# Altium PCB CYAN_EVSE_Power_board_v1.1.PcbDoc
Units mm, origin at the board's own origin, x right, y up, seen from the top; angles counter-clockwise.
Board outline 75 x 106 mm, 2 copper layers (Top Layer, Bottom Layer); 55 components, 27 nets, 171 pads, 20 vias.
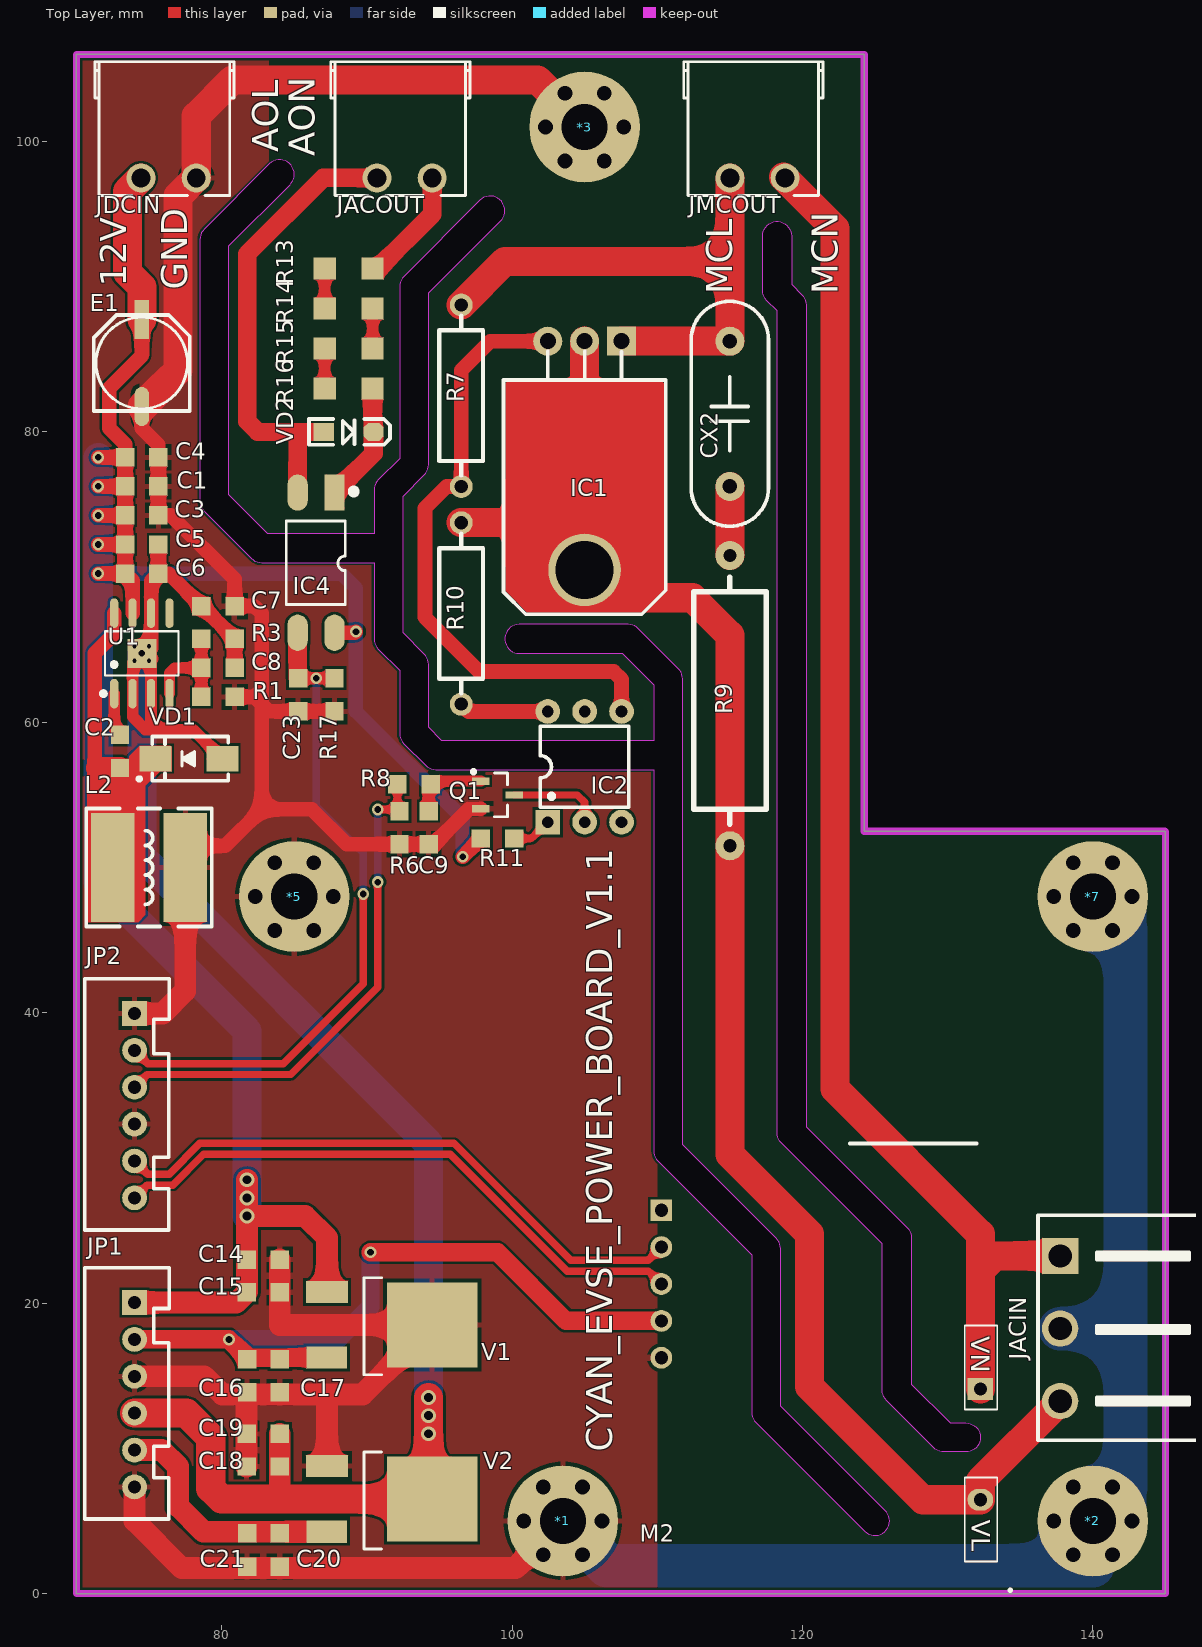
[diagram p0: Top Layer view]
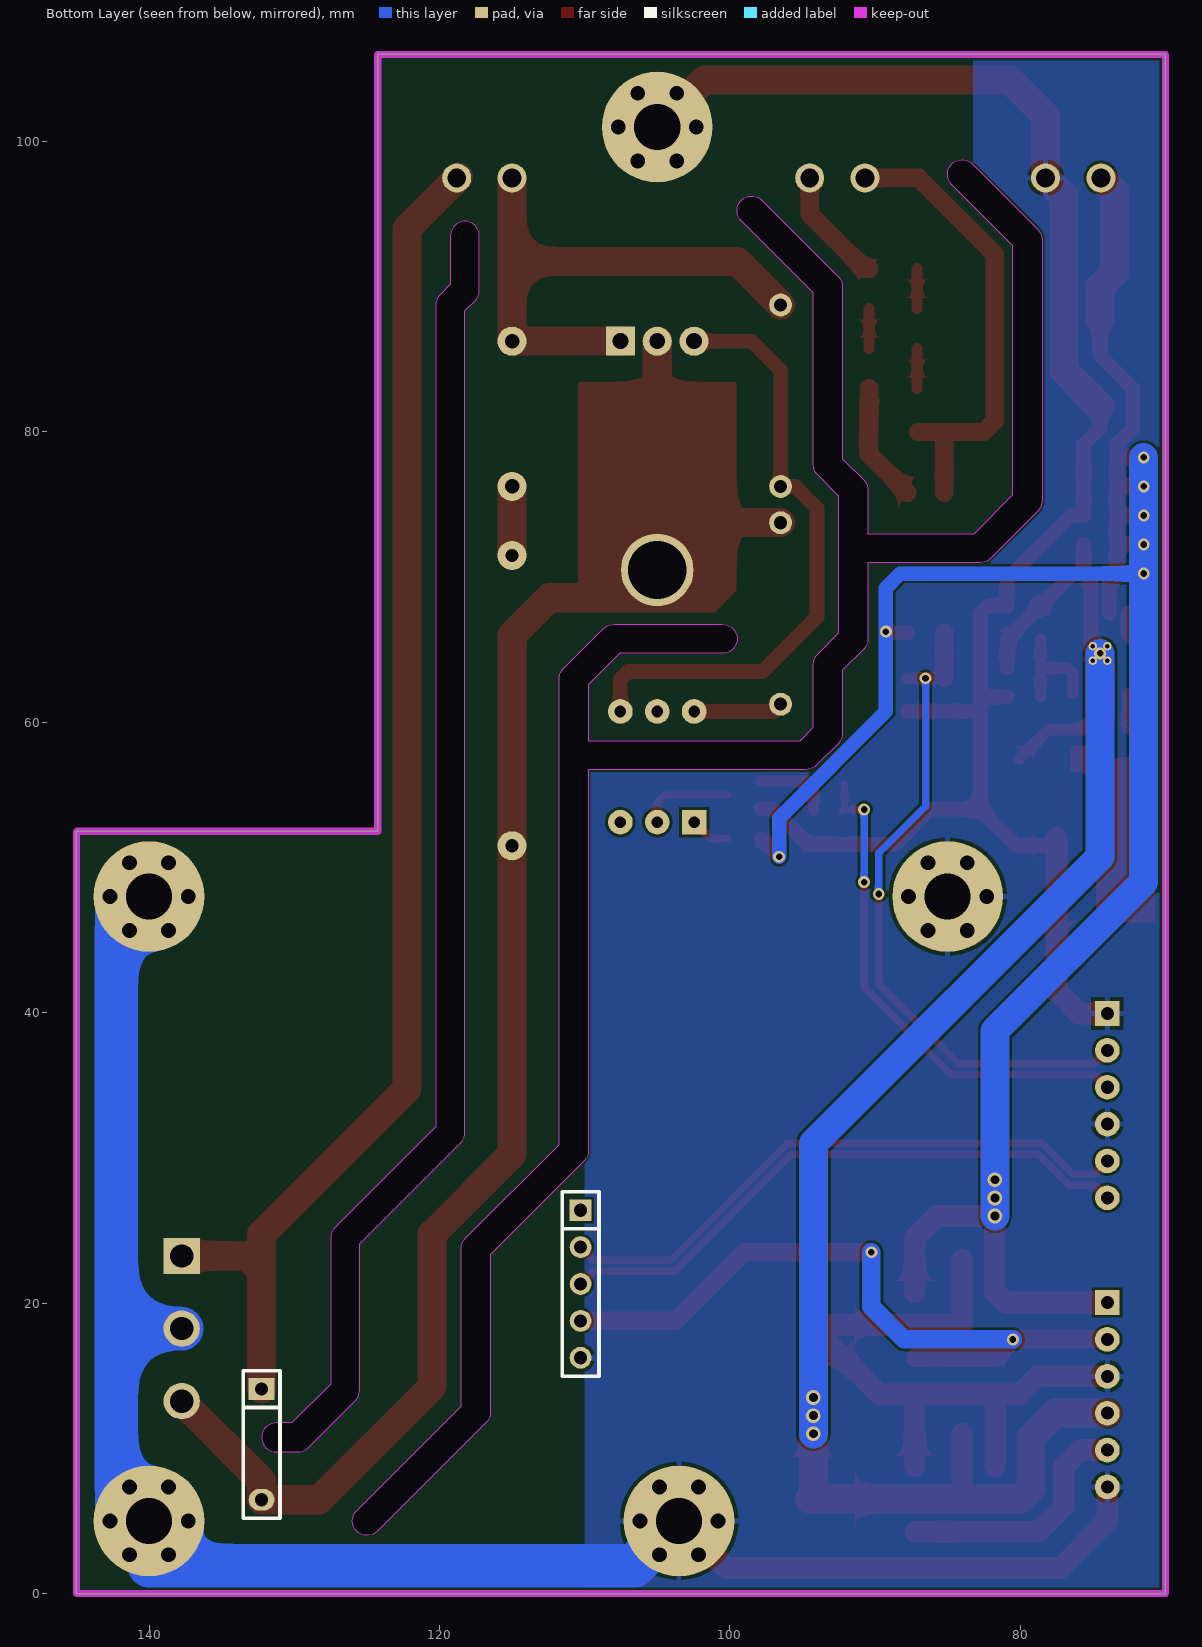
[diagram p1: Bottom Layer view, seen from below]

## Layer stack, top to bottom
Top Solder: solder mask 0.0102, Solder Resist, Dk 3.5
Top Layer: signal copper 0.0356
Dielectric1: dielectric 0.32, FR-4, Dk 4.8
Bottom Layer: signal copper 0.0356
Bottom Solder: solder mask 0.0102, Solder Resist, Dk 3.5

## Board outline
70,0 70,106 124.25,106 124.25,52.5 144.97,52.5 145,52.47 145,52.485 145,0
cut-out: 82.043,71.293 ccw(c82.75,72) 82.75,71 90.5,71 90.5,65.75 ccw(c91.5,65.75) 90.793,65.043 92.25,63.586 92.25,59.25 ccw(c93.25,59.25) 92.543,58.543 94.043,57.043 ccw(c94.75,57.75) 94.75,56.75 109.75,56.75 109.75,30.5 ccw(c110.75,30.5) 110.043,29.793 116.5,23.336 116.5,12.5 ccw(c117.5,12.5) 116.793,11.793 124.293,4.293 ccw(c125,5) 126,5 ccw(c125,5) 125.707,5.707 118.5,12.914 118.5,23.75 ccw(c117.5,23.75) 118.207,24.457 111.75,30.914 111.75,63 ccw(c110.75,63) 111.457,63.707 108.707,66.457 ccw(c108,65.75) 108,66.75 100.5,66.75 ccw(c100.5,65.75) 100.5,64.75 107.586,64.75 109.75,62.586 109.75,58.75 95.164,58.75 94.25,59.664 94.25,64 ccw(c93.25,64) 93.957,64.707 92.5,66.164 92.5,75.586 93.957,77.043 ccw(c93.25,77.75) 94.25,77.75 94.25,89.586 99.207,94.543 ccw(c98.5,95.25) 99.5,95.25 ccw(c98.5,95.25) 97.793,95.957 92.543,90.707 ccw(c93.25,90) 92.25,90 92.25,78.164 90.793,76.707 ccw(c91.5,76) 90.5,76 90.5,73 83.164,73 80.5,75.664 80.5,92.836 84.707,97.043 ccw(c84,97.75) 85,97.75 ccw(c84,97.75) 83.293,98.457 78.793,93.957 ccw(c79.5,93.25) 78.5,93.25 78.5,75.25 ccw(c79.5,75.25) 78.793,74.543
cut-out: 118.25,31.75 118.25,88.336 117.543,89.043 cw(c118.25,89.75) 117.25,89.75 117.25,93.5 cw(c118.25,93.5) 119.25,93.5 119.25,90.164 119.957,89.457 cw(c119.25,88.75) 120.25,88.75 120.25,32.164 127.207,25.207 cw(c126.5,24.5) 127.5,24.5 127.5,14.414 130.164,11.75 131.25,11.75 cw(c131.25,10.75) 132.25,10.75 cw(c131.25,10.75) 131.25,9.75 129.75,9.75 cw(c129.75,10.75) 129.043,10.043 125.793,13.293 cw(c126.5,14) 125.5,14 125.5,24.086 118.543,31.043 cw(c119.25,31.75)

## Design rules (kind name [scope] priority, off if disabled: settings)
Clearance Clearance7mil [All] p1: gap=0.178 ignorepadtopadclearanceinfootprint=TRUE except(0: Arc-Hole Track-Hole SMDPad-Hole THPad-Hole Via-Hole Fill-Hole Poly-Hole Region-Hole Text-Hole)
ComponentClearance [All] p1: gap=0 collisioncheckmode=3 verticalgap=0 showdistances=FALSE
Height [All] p1: minheight=0 maxheight=40 prefheight=12.7
HoleSize [All] p1: absolutevalues=TRUE maxlimit=25.375 minlimit=0.025 maxpercent=80.000 minpercent=20.000
HoleToHoleClearance [All] p1: gap=0 allowstackedmicrovias=TRUE
MinimumSolderMaskSliver [All] p1: minsoldermaskwidth=0
PlaneConnect [All] p1: pad.planeconnectstyle=Relief pad.reliefexpansion=0.508 pad.reliefentries=4 pad.reliefconductorwidth=0.381 pad.reliefairgap=0.254 via.planeconnectstyle=Direct via.reliefexpansion=0.508 via.reliefentries=4 via.reliefconductorwidth=0.381 via.reliefairgap=0.254
PolygonConnect [All] p1: thpad.connectstyle=Relief thpad.reliefconductorwidth=0.381 thpad.reliefentries=4 thpad.polygonreliefangle="90 Angle" thpad.airgapwidth=0.254 smdpad.connectstyle=Relief smdpad.reliefconductorwidth=0.381 smdpad.reliefentries=4 smdpad.polygonreliefangle="90 Angle" smdpad.airgapwidth=0.254 via.connectstyle=Direct via.reliefconductorwidth=0.381 via.reliefentries=4 via.polygonreliefangle="90 Angle" via.airgapwidth=0.254
RoutingVias [All] p1: holewidth=0.457 width=0.813 viastyle="Through Hole" minholewidth=0.305 minwidth=0.508 maxholewidth=25.375 maxwidth=25.375
SilkToSilkClearance [All] p1: silktosilkclearance=0
SilkToSolderMaskClearance SilkscreenOverComponentPads [IsPad] p1: minsilkscreentomaskgap=0 clearancetoexposedcopper=TRUE
SolderMaskExpansion [All] p1: expansion=0.051 istentingtop=FALSE
Width Width_VCC [All] p1: maxlimit=25.375 minlimit=0.152 preferedwidth=0.203
Width [All] p2: maxlimit=25.375 minlimit=0.152 preferedwidth=0.178
22 further rules are at their usual default settings.

## Components (designator, comment, footprint, x,y, rotation, side; value= is the part's Value field where it differs from the comment)
*1 "M3" "M3 125X300" 103.5,5 r180 top
*2 "M3" "M3 125X300" 140,5 r180 top
*3 "M3" "M3 125X300" 105,101 r180 top
*5 "M3" "M3 125X300" 85,48 r180 top
*7 "M3" "M3 125X300" 140,48 r180 top
C1 "C" "C 0805" 74.5,76.25 r180 top value=100nF
C2 "C" "C 0805" 73,58 r270 top value=100nf
C3 "C" "C 0805" 74.5,74.25 r180 top value=100nF
C4 "C" "C 0805" 74.5,78.25 r0 top value=10uF
C5 "C" "C 0805" 74.5,72.25 r180 top value=10uF
C6 "C" "C 0805" 74.5,70.25 r180 top value=100nF
C7 "C" "C 0805" 79.75,68 r0 top value=10uF
C8 "C" "C 0805" 79.75,63.75 r0 top value=10nf
C9 "C" "C 0805" 94.25,52.75 r90 top value=100nF
C14 "C" "C 0805" 82.857,23 r180 top value=10uF
C15 "C" "C 0805" 82.857,20.75 r180 top value=100nF
C16 "C" "C 0805" 81.75,15 r90 top value=10uF
C17 "C" "C 0805" 84,15 r90 top value=100nF
C18 "C" "C 0805" 82.857,8.75 r0 top value=10uF
C19 "C" "C 0805" 82.857,11 r0 top value=100nF
C20 "C" "C 0805" 84,3 r90 top value=10uF
C21 "C" "C 0805" 81.75,3 r90 top value=100nF
C23 "C" "C 0805" 85.27,61.9 r90 top value=100nF
CX2 "X1 安规电容" "CX 10*13*11" 115,81.25 r270 top value=10nf
E1 "C-CM" "CM D(6.3*5.4)" 74.5,84.75 r90 top value=220uf
IC1 "BTA16_800" TO220B 105,86.25 r180 top
IC2 "MOC3061" DIP6-300 105,56.94 r90 top
IC4 "817" SOP4-W2.54_M 86.5,71 r270 top
JACIN "HDR-1X3" KF2EDGK5.0-3P_H 137.75,23.25 r270 top
JACOUT "HDR-1X2" "MC 1,5/ 2-G-3,81" 94.5,97.5 r180 top
JDCIN "HDR-1X2" "MC 1,5/ 2-G-3,81" 78.25,97.5 r180 top
JMCOUT "HDR-1X2" "MC 1,5/ 2-G-3,81" 118.81,97.5 r180 top
JP1 "HDR-1X6" XH2.54-6P 74,20.04 r270 top
JP2 "HDR-1X6" XH2.54-6P 74,39.95 r270 top
L2 "100uH" CD75 75,50 r0 top
M2 "IM1281B" IM1281B 108.323,43.239 r270 top
Q1 "S9014" SOT23-3N 99,55 r270 top
R1 "R" "R 0805" 79.75,61.75 r180 top value=16k
R3 "R" "R 0805" 79.75,65.75 r0 top value=1.8k
R6 "R" "R 0805" 92.25,52.75 r90 top value=10k
R7 "R-CRR" "RS 1/2W" 96.5,82.5 r270 top value=360
R8 "R" "R 0805" 93.25,55.75 r180 top value=10k
R9 "R-CRR" "RS 2W" 115,61.5 r90 top value=39
R10 "R-CRR" "RS 1/2W" 96.5,67.5 r90 top value=360
R11 "R" "R 0805" 99,52 r180 top value=180
R13 "R" "R 1206" 88.75,91.25 r180 top value=51K
R14 "R" "R 1206" 88.75,88.5 r0 top value=51K
R15 "R" "R 1206" 88.75,85.75 r180 top value=51K
R16 "R" "R 1206" 88.75,83 r0 top value=51K
R17 "R" "R 0805" 87.77,61.9 r90 top value=1M
U1 "TPS5430" SOP8_EPAD_VIA 74.5,64.75 r0 top
V1 "7805" TO252 90.3,18.5 r270 top
V2 "7905" TO252 90.3,6.5 r270 top
VD1 "B340AF-13" SMA 77.75,57.5 r180 top
VD2 "FR107" SOD-123 88.75,80 r0 top

## Footprints (in the part's own frame and the unit in brackets; to place one, negate y for a bottom-side part, rotate by r counter-clockwise, add the part's x,y. Pads: shape width x height; smd on the part's side, far side on the other; paste and mask are expansions set on the pad)
"C 0805" [mil] "无极性贴片电容"
  rect 50x50 smd: 1(-45,0) 2(45,0)
  body extent -39,-24 39,24, height 20
CD75 [mm] "7.8*7*5mm（长宽高）"
  rect 3x7.5 smd: 1(-2.5,0) 2(2.5,0)
  silkscreen extent -4.32,-4.06 4.32,4.06, body extent -3.85,-3.5 3.85,3.5, height 5.15
"CM D(6.3*5.4)" [mm] "贴片电解电容，直径6.3mm，高5.4mm"
  rect 2.7x1 smd: 1(3,0)
  oval 2.7x1 smd: 2(-3,0)
  silkscreen extent -3.3,-3.3 3.3,3.3, body extent -3.5,-3.3 3.5,3.3, height 5.4
"CX 10*13*11" [mm] "脚距10mm高13mm厚11mm"
  round 2 hole 1: 1(-5,0) 2(5,0)
  silkscreen extent -7.75,-2.67 7.75,2.67, body extent -6.5,-2.5 6.5,2.5, height 11.02
DIP6-300 [mm] "6.8*7.6*3.8(长宽高）"
  rect 1.7x1.7 hole 0.8: 1(-3.81,2.54)
  round 1.7 hole 0.8: 2(-3.81,0) 3(-3.81,-2.54) 4(3.81,-2.54) 5(3.81,0) 6(3.81,2.54)
  silkscreen extent -2.79,-3.05 2.79,3.05, body extent -3.92,-3.43 3.93,3.43, height 4.5
IM1281B [mm]
  rect 1.5x1.5 hole 0.9: 1(16.84,1.956)
  round 1.5 hole 0.9: 2(19.38,1.956) 3(21.92,1.956) 4(24.46,1.956) 5(27,1.956)
  oval 1.5x1.778 hole 0.9: 6(36.779,23.927)
  rect 1.5x1.778 hole 0.9: 7(29.159,23.927)
  silkscreen extent 12.24,14.93 43,26, body extent -0.67,0.31 43,26, height 29.14
KF2EDGK5.0-3P_H [mm] "弯角插拔式端子"
  rect 2.5x2.5 hole 1.6: 1(0,0)
  round 2.5 hole 1.6: 2(5,0) 3(10,0)
  silkscreen extent -2.79,-1.52 12.7,11.05, body extent -2.54,-0.5 12.54,10.8, height 8.5
"M3 125X300" [mil] "M3螺丝孔，孔125Mil，焊盘300Mil"
  round 40 hole 40: 0(-106,0) 0(-53,91.8) 0(-53,-91.8) 0(53,91.8) 0(53,-91.8) 0(106,0)
  round 300 hole 125: 0(0,0)
"MC 1,5/ 2-G-3,81" [mm] "10A 300 V, Pitch 3.81mm, 2 Positions PCB Right Angle Male Header, BC/SC 3.81 Serie"
  round 2 hole 1.3: 1(0,0) 2(3.81,0)
  silkscreen extent -2.61,-8 6.99,1.21, body extent -2.35,-17.45 6.66,1.4, height 8.3
"R 0805" [mil] "1/8W贴片电阻"
  rect 50x50 smd: 1(-45,0) 2(45,0)
  body extent -39,-25 39,25, height 20
"R 1206" [mil] "1/4W贴片电阻"
  rect 60x60 smd: 1(-65,0) 2(65,0)
  body extent -63,-31 63,32, height 22
"RS 1/2W" [mm] "直插色环电阻，脚距12.5mm，直径3mm"
  round 1.575 hole 0.9: 1(-6.25,0) 2(6.25,0)
  silkscreen extent -5.5,-1.5 5.5,1.5, body extent -6.5,-1.51 6.5,1.51, height 3.11
"RS 2W" [mm] "直插色环电阻，脚距20mm，直径5mm"
  round 2 hole 0.9: 1(10,0) 2(-10,0)
  silkscreen extent -8.5,-2.5 8.5,2.5, body extent -10.4,-2.51 10.4,2.51, height 5.11
SMA [mm] "4.5x2.6*2.2mm（长宽高，不包括引脚）"
  rect 2.2x1.75 smd: 1(-2.3,0) 2(2.3,0)
  silkscreen extent -2.7,-1.52 3.56,1.52, body extent -2.53,-1.3 2.57,1.3, height 2.15
SOD-123 [mil] "2.7x1.6X1.1mm（长宽高，不包括引脚）"
  rect 55x50 smd: 1(-67.5,0)
  oct 55x50 smd: 2(67.5,0)
  silkscreen extent -108,-35 112,35, body extent -73,-31 73,31, height 48
SOP4-W2.54_M [mm] "6.5*4.58*3.5mm（长宽高）"
  rect 2.5x1.4 smd: 1(-4.826,1.27)
  oval 2.5x1.4 smd: 2(-4.826,-1.27) 3(4.826,-1.27) 4(4.826,1.27)
  silkscreen extent -5.06,-2.05 2.87,2.75, body extent -5,-2.29 5,2.29, height 3.83
SOP8_EPAD_VIA [mm]
  oval 0.574x2.038 smd: 1(-1.905,-2.769) 2(-0.635,-2.769) 3(0.635,-2.769) 4(1.905,-2.769) 5(1.905,2.769) 6(0.635,2.769) 7(-0.635,2.769) 8(-1.905,2.769)
  round 0.6 hole 0.3: 9(-0.5,-0.5) 9(-0.5,0.5) 9(0.5,-0.5) 9(0.5,0.5)
  rect 2x2 smd: 9(0,0)
  silkscreen extent -2.79,-2.92 2.53,1.52, body extent -2.5,-3 2.5,3, height 1.9
SOT23-3N [mm] "3x1.3x1mm(长宽高)"
  rect 0.5x1.2 smd: 1(-0.95,-1.143) 2(0.95,-1.143) 3(0,1.143)
  silkscreen extent -1.72,-1.78 1.5,0.7, body extent -1.5,-1.2 1.5,1.2, height 1.05
TO220B [mm] "220，3脚晶体管"
  round 5 hole 4: 0(0,15.748)
  rect 2x2 hole 1.1: 1(-2.54,0)
  round 2 hole 1.1: 2(0,0) 3(2.54,0)
  Top Layer region: 3.81,17.526 4.445,17.526 4.445,18.034 3.81,18.034
  Top Layer region: 4.445,16.891 5.143,16.891 5.143,17.335 4.445,17.335
  Top Layer region: -4.826,17.018 -4.572,17.018 -4.572,17.526 -4.826,17.526
  Top Layer region: -4.318,17.653 -3.81,17.653 -3.81,18.034 -4.318,18.034
  Top Layer region: -4.572,16.891 -3.81,16.891 -3.81,17.653 -4.572,17.653
  Top Layer region: 4.064,16.891 4.699,16.891 4.699,17.78 4.064,17.78
  Top Layer region: -3.81,16.891 4.064,16.891 4.064,18.542 -3.81,18.542
  Top Layer region: -5.334,2.921 5.334,2.921 5.334,17.018 -5.334,17.018
  Top Layer lines w0.254: 4.699,17.526 5.334,17.018 ; 3.937,18.288 4.826,17.272 5.334,17.018 ; -3.81,18.288 -4.429,17.669 -5.207,16.891 ; -3.81,18.034 -4.175,17.669 -4.826,17.018 ; 5.334,17.018 5.334,12.5 5.334,3.429 5.334,2.921 0,2.921 -5.08,2.921 -5.334,2.921 -5.334,16.637 -5.334,17.018 -4.826,17.526 -4.683,17.669 -3.81,18.542 3.429,18.542 3.937,18.542 4.953,17.526 5.334,17.145 5.334,17.018
  silkscreen extent -5.59,0.69 5.59,18.8, body extent -5.15,-0.25 5.15,18.5, height 4.43
TO252 [mil] "252晶体管"
  rect 60x115 smd: 1(-89.55,-119.77)
  rect 230x245 smd: 2(0,165.35)
  rect 60x110 smd: 3(88.45,-120.77)
  silkscreen extent -128,-20 135,28, body extent -127,-120 129,251, height 91
XH2.54-6P [mm] "接插件，6P"
  rect 1.7x1.7 hole 0.9: 1(0,0)
  round 1.7 hole 0.9: 2(2.54,0) 3(5.08,0) 4(7.62,0) 5(10.16,0) 6(12.7,0)
  silkscreen extent -2.39,-3.43 14.91,2.39, body extent -2.5,-3.3 15.2,2.4, height 7.03

## Part data
*1 *2 *3 *5 *7: "铜柱孔"
C1 C7: "无极性贴片电容", Voltage=25V
C2 C3 C4 C5 C6 C8 C14 C15 C16 C17 C18 C19 C20 C21: "无极性贴片电容", Voltage=50V
C9 C23: "无极性贴片电容", Voltage=20V
CX2: library part C-CX, "X电容", Voltage=440V
E1: "贴片电解电容", Voltage=20V
IC1: library part BTA12_600, "双向可控硅"
IC2: library part MOC304(6)1, "4(6)00v 带过0检测 光电可控硅 led电流15ma 1.3v", BOM_Manufacturer=FAIRCHILD, BOM_Manufacturer Part=MOC3041M, BOM_Supplier=LCSC, BOM_Supplier Part=C8921, image=//image.lceda.cn/szlcsc/C8921.jpg, spicePre=U, spiceSymbolName=MOC3041M
IC4: "线性光耦"
JACIN: library part "Header 3", "3P接插件"
JACOUT JDCIN JMCOUT: library part "Header 2", "2P接插件"
JP1 JP2: library part "Header 6", "6P接插件"
L2: library part L-CD, "贴片功率电感"
M2: "单相交流电能计量模块"
Q1: library part 9014-SMD, "低噪放大-NPN型"
R1 R3 R6 R8 R11 R13 R14 R15 R16 R17: "贴片电阻"
R7 R9 R10: "直插色环电阻"
U1: "3A 36v buck控制器，内置fet"
V1: library part 78xx, "线性稳压芯片"
V2: library part 79xx, "线性稳压芯片"
VD1: library part SS14, "肖特基二极管"
VD2: "快恢复整流二极管"

## Via types
v1: diameter 0.813, hole 0.457, Top Layer to Bottom Layer, tented both sides, 14 vias
v2: diameter 1.016, hole 0.61, Top Layer to Bottom Layer, tented both sides, 6 vias

## Nets (pads, with @x,y where several pads share a name; then routed paths per layer and width w, separated by ;. In a path a pad name is that pad's centre, name@x,y a point inside that pad or via, vN(x,y) a via of type N, cw(c..) or ccw(c..) an arc to the next point about the centre after c; other vN are vias at no path point)
232_RX: JP2.6 M2.3 | length 41.2
  Top Layer w0.508: JP2.6 74.88,28.13 76.63,28.13 78.75,30.25 95.75,30.25 103.801,22.199 109.399,22.199 M2.3
232_TX: JP2.5 M2.2 | length 41.2
  Top Layer w0.508: JP2.5 74.91,28.88 76.38,28.88 78.5,31 96,31 104.051,22.949 109.369,22.949 M2.2
AC_L: IC1.0 IC1.2 JACIN.3 M2.6 R9.2 R10.2 | length 105
  Top Layer w2: R10.2 102.5,73.75 102.75,74 ; IC1.0 106.921,68.581 112.419,68.581 115,66 R9.2 115,30.25 120.5,24.75 120.5,14.25 128.29,6.46 M2.6 132.25,7.75 JACIN.3 ; 105,77.5 IC1.2
AC_N: JACIN.1 JMCOUT.1 M2.7 | length 95
  Top Layer w2: JMCOUT.1@118.704,97.546 122.25,94 122.25,34.75 132.25,24.75 132.25,22.25 ; M2.7 132.25,22.25 ; JACIN.1 133.25,23.25 132.25,22.25
AC_OUT_L: JACOUT.1 R13.1 | length 8.2
  Top Layer w1.27: R13.1 90.75,91.25 94.5,95 JACOUT.1
AC_OUT_N: IC4.2 JACOUT.2 VD2.1 | length 32.2
  Top Layer w1.27: IC4.2 85.23,79.77 ; VD2.1 82.5,80 81.75,80.75 81.75,92.25 87,97.5 JACOUT.2
AC_PE: *1.0 *2.0 *3.0 *5.0 *7.0 C1.1 C3.1 C4.2 C7.2 C9.1 C14.1 C15.1 C16.1 C17.1 C18.1 C19.1 C20.1 C21.1 C23.1 E1.2 JACIN.2 JDCIN.1 JP1.3 JP1.6 JP2.1 JP2.4 L2.2 M2.5 Q1.2 R1.1 R6.1 R17.1 V1.2 V2.1 | length 301.9
  Top Layer w1: E1.2 74.5,80.25 75.643,79.107 C4.2 C1.1 C3.1 76.5,74.25 80.893,69.857 C7.2 82.25,68 82.75,67.5 82.75,62.25 ; L2.2@77.5,51.5 80.25,51.5 82.75,54 ; R1.1 82.25,61.75 ; R17.1 C23.1 83.243,60.757 82.75,61.25 ; Q1.2 97.05,54.05 94.607,51.607 C9.1 R6.1 88.607,51.607 86.214,54 82.75,54 ; 82.25,61.75 82.75,62.25 ; 82.25,61.75 82.75,61.25 ; 82.75,54 82.75,61.25 ; 82.75,61.25 82.75,62.25
  Top Layer w1.5: JP1.6 74,5 77.25,1.75 100.25,1.75 *1.0@103.5,5 ; JP1.3 78.79,14.96 80.036,13.714 C16.1@81.75,13.714 ; JP2.1 75.95,39.95 77.5,41.5 L2.2@77.5,52 ; C18.1 81.714,13.678 C16.1@81.75,13.714 ; C14.1 C15.1 84,18.5 V1.2 89.714,13.714 87,13.714 ; V2.1 87.258,13.456 87,13.714 ; C16.1@81.75,13.714 87,13.714
  Top Layer w2: E1.2 77,84.25 77,96.25 JDCIN.1 78.25,101.75 80.75,104.25 101.75,104.25 *3.0@105,101
  Bottom Layer w3: *1.0@103.5,5 106.572,1.928 140,1.928 140,5 142.25,7.25 142.25,18.25 ; JACIN.2 142.25,18.25 ; *7.0@140,48 142.25,45.75 142.25,18.25
MC_AC_L: CX2.1 IC1.1 JMCOUT.2 R7.1 | length 38.5
  Top Layer w2: R7.1 99.5,91.75 115,91.75 ; IC1.1 CX2.1 115,91.75 ; JMCOUT.2 115,91.75
NetC2_1: C2.1 U1.1 | length 2.4
  Top Layer w0.8: C2.1@72.595,59.548 U1.1
NetC2_2: C2.2 L2.1 U1.8 VD1.2 | length 12.9
  Top Layer w1: 71.393,56.857 71.25,57 71.25,64.75 72.595,66.095 U1.8
  Top Layer w1.5: 71.393,56.857 C2.2
NetC8_1: C8.1 R1.2 R3.1 U1.4 | length 7.8
  Top Layer w0.762: U1.4 76.405,63.405 76.75,63.75 C8.1 ; R1.2 C8.1 ; R3.1 C8.1
NetC9_2: C9.2 Q1.1 R8.1 | length 5.2
  Top Layer w0.762: C9.2 94.25,55.607 R8.1 ; R8.1@94.593,55.95 Q1.1
NetCX2_2: CX2.2 R9.1 | length 4.7
  Top Layer w2: R9.1 CX2.2
NetIC1_3: IC1.3 IC2.4 R7.2 | length 42.9
  Top Layer w1.016: IC1.3 98.5,86.25 96.5,84.25 R7.2 95.5,76.25 94,74.75 94,67.25 97.75,63.5 107,63.5 107.54,62.96 IC2.4
NetIC2_1: IC2.1 R11.1 | length 2.8
  Top Layer w0.508: R11.1 101.33,52 IC2.1
NetIC2_2: IC2.2 Q1.3 | length 6.4
  Top Layer w0.508: Q1.3 104.5,55 105,54.5 IC2.2
NetIC2_6: IC2.6 R10.1 | length 6.2
  Top Layer w1.016: R10.1 97,60.75 IC2.6
NetIC4_1: IC4.1 R16.2 VD2.2 | length 8.3
  Top Layer w1.27: IC4.1 90.465,78.52 VD2.2 90.401,80.063 R16.2
NetR13_2: R13.2 R14.1 | length 2.7
  Top Layer w0.762: R14.1 R13.2
NetR14_2: R14.2 R15.1 | length 2.8
  Top Layer w0.762: R15.1 R14.2
NetR15_2: R15.2 R16.1 | length 2.7
  Top Layer w0.762: R16.1 R15.2
OUT_VOL: C23.2 IC4.3 JP2.2 R17.2 | length 46.4
  Top Layer w0.508: JP2.2 74.91,36.5 84.25,36.5 89.75,42 v1(89.75,48.175)
  Top Layer w0.8: C23.2 v1(86.52,63.043) R17.2
  Top Layer w1.27: C23.2@85.23,63.083 IC4.3
  Bottom Layer w0.508: v1(86.52,63.043) 86.52,54.23 89.75,51 v1(89.75,48.175)
RELAY_EN: JP2.3 R6.2 R8.2 | length 35.2
  Top Layer w0.508: JP2.3 74.88,35.75 84.75,35.75 90.75,41.75 v1(90.75,49) ; v1(90.75,54) 92.071,54 R6.2@92.107,54.036 ; R8.2 R6.2@92.107,54.036 ; R6.2 R6.2@92.107,54.036
  Bottom Layer w0.508: v1@90.75,48.945 v1(90.75,49) v1(90.75,54)
VCC5V: C16.2 C17.2 JP1.2 M2.4 V1.3 | length 50.2
  Top Layer w1.27: JP1.2 v1(80.503,17.5) 81.75,16.253 V1.3 ; v1(90.25,23.5) 99,23.5 103.721,18.779 M2.4
  Bottom Layer w1.27: v1(80.503,17.5) 88,17.5 90.25,19.75 v1(90.25,23.5)
VCC12V: C1.2 C3.2 C4.1 C5.2 C6.2 C14.2 C15.2 E1.1 IC4.4 JDCIN.2 JP1.1 R11.2 U1.7 V1.1 | length 170.7
  Top Layer w1: v1(71.5,70.25) C6.2 ; v1(71.5,72.25) C5.2 ; v1(71.5,74.25) C3.2 ; v1(71.5,76.25) C1.2 ; v1(71.5,78.25) C4.1 C1.2 ; U1.7 73.865,69.742 C6.2 ; E1.1 74.5,85.25 72.25,83 72.25,80.25 73.357,79.143 C3.2 ; IC4.4 89.174,66.174 v1(89.25,66.25) ; v1(96.607,50.75) R11.2 ; C6.2 C5.2 ; C5.2 C3.2 ; C3.2 C1.2
  Top Layer w1.5: JP1.1 81.004,20.04 C15.2 ; C15.2@81.75,20.786 v2(81.75,26) ; v2(81.75,28.5) v2(81.75,27.25) v2(81.75,26) ; V1.1 87.258,24.492 85.75,26 v2(81.75,26)
  Top Layer w2: JDCIN.2 73.5,96.56 73.5,91 74.5,90 E1.1
  Bottom Layer w1: v1(71.5,70.25) 88.25,70.25 89.25,69.25 v1(89.25,66.25) 89.25,60.75 96.607,53.393 v1(96.607,50.75)
  Bottom Layer w2: v1(71.5,78.25) v1(71.5,76.25) v1(71.5,74.25) v1(71.5,72.25) v1(71.5,70.25) 71.5,49 81.75,38.75 v2(81.75,28.5) v2(81.75,27.25) v2(81.75,26)
VCC-5V: C20.2 C21.2 JP1.5 V2.3 | length 17.2
  Top Layer w1.5: JP1.5 75.87,9.88 77,8.75 77,6 78.75,4.25 87.229,4.25 V2.3
VCC-12V: C5.1 C6.1 C7.1 C8.2 C18.2 C19.2 JP1.4 R3.2 U1.2 U1.3 U1.6 U1.9 V2.2 VD1.1 | length 133.4
  Top Layer w0.8: v1(74.5,64.75) 73.865,64.115 U1.2 73.865,60.385 74.75,59.5 75.75,59.5 ; U1.9@75,65.25 75.135,65.115 75.135,64.385 U1.3 75.135,60.115 75.75,59.5 ; VD1.1 78.05,59.5 75.75,59.5
  Top Layer w1: U1.9@75,64.25 U1.9@75.135,64.385 ; U1.9@75.135,65.115 U1.6 75.135,69.742 C6.1 ; C5.1 C6.1 ; C8.2 R3.2 78.643,68 C7.1 76.357,70.25 C6.1
  Top Layer w1.5: C19.2 C18.2 84,6.75 84.25,6.5
  Top Layer w2: JP1.4 77.58,12.42 79.25,10.75 79.25,7.25 80,6.5 84.25,6.5 V2.2 94.25,6.75 v2(94.25,11) v2(94.25,12.25) v2(94.25,13.5)
  Bottom Layer w2: v1(74.5,64.75) 74.5,50.75 94.25,31 v2(94.25,13.5) v2(94.25,12.25) v2(94.25,11)
pads on no net: IC2.3 IC2.5 M2.1 U1.5

## Polygon pours and split planes (outlines as drawn)
AC_PE on Top Layer "NONET_L-01_P-001" (solid, remove dead copper, pour order 0): 70,106 83.229,106 83.229,97.271 83.25,97.25 79.25,93.25 79.25,75.5 83.25,71.5 91.5,71.5 91.5,65.75 93,64.25 93,59.5 94.5,58 109,58 110,57 110,0 70,0
AC_PE on Bottom Layer "NONET_L-01_P-001" (solid, remove dead copper, pour order 8): 70,106 83.229,106 83.229,97.271 83.25,97.25 79.25,93.25 79.25,75.5 83.25,71.5 91.5,71.5 91.5,65.75 93,64.25 93,59.5 94.5,58 109,58 110,57 110,0 70,0

## Keep-outs
Keep-Out Layer:
  lines w0.5: 145,52.47 144.97,52.5 124.25,52.5 124.25,106 70,106 70,0 145,0 145,52.485

## Other copper
Top Layer:
  region net NetC2_2: 74.35,58.375 73.635,57.66 73.635,57.492 70.758,57.492 70.75,57.5 70.75,46.25 74.25,46.25 74.75,46.75 74.75,55.621 75.754,56.625 76.55,56.625 76.55,58.296 76.471,58.375

## Silkscreen, mask and mechanical layers (free items; w line width, h text height)
Top Overlay:
  text "AOL" at 84.5,99.25 h3.05 r90
  text "AON" at 87,99 h3.05 r90
  text "12V" at 74,90 h3.05 r90
  text "GND" at 78.223,89.801 h3.05 r90
  text "MCL" at 115.75,89.5 h3.05 r90
  text "MCN" at 123,89.5 h3.05 r90
  text "CYAN_EVSE_POWER_BOARD_V1.1" at 107.5,9.75 h3.05 r90
Mechanical 1:
  lines w0.1: 70,0 145,0 145,52.485 145,52.47 144.97,52.5 124.25,52.5 124.25,106 70,106 70,0
  lines w2: 84,97.75 79.5,93.25 79.5,75.25 82.75,72 91.25,72 91.5,71.75 91.5,71 ; 98.5,95.25 93.25,90 93.25,77.75 91.5,76 91.5,65.75 93.25,64 93.25,59.25 94.75,57.75 110.75,57.75 ; 100.5,65.75 108,65.75 110.75,63 110.75,57.75 ; 118.25,93.5 118.25,89.75 119.25,88.75 119.25,31.75 122.25,28.75 126.5,24.5 126.5,14 129.75,10.75 131.25,10.75 ; 125,5 117.5,12.5 117.5,23.75 110.75,30.5 110.75,57.75

## Text inside footprints (layer, text, board x,y; h text height)
JACOUT: Mechanical 14 "2" at 91.03,100.15 h1 r180; Mechanical 14 "1" at 94.84,100.15 h1 r180
JDCIN: Mechanical 14 "1" at 78.59,100.15 h1 r180; Mechanical 14 "2" at 74.78,100.15 h1 r180
JMCOUT: Mechanical 14 "1" at 119.15,100.15 h1 r180; Mechanical 14 "2" at 115.34,100.15 h1 r180
M2: Top Overlay "VL" at 131.666,5.088 h1.27 r270; Top Overlay "VN" at 131.615,17.712 h1.27 r270